# Altium PCB HIVE_BOARD.PcbDoc (part 6 of 9)
Units mil, origin at the board's own origin, x right, y up, seen from the top; angles counter-clockwise.
Board outline 4330.71 x 4330.71 mil, 8 copper layers (Top, GND_1, Signal_1, GND_2, PWR, Signal_2, GND_3, Bottom), stack 62.994 mil thick; 660 components, 468 nets, 2497 pads, 1806 vias.
Unrouted connection lines stored in the file: 30.
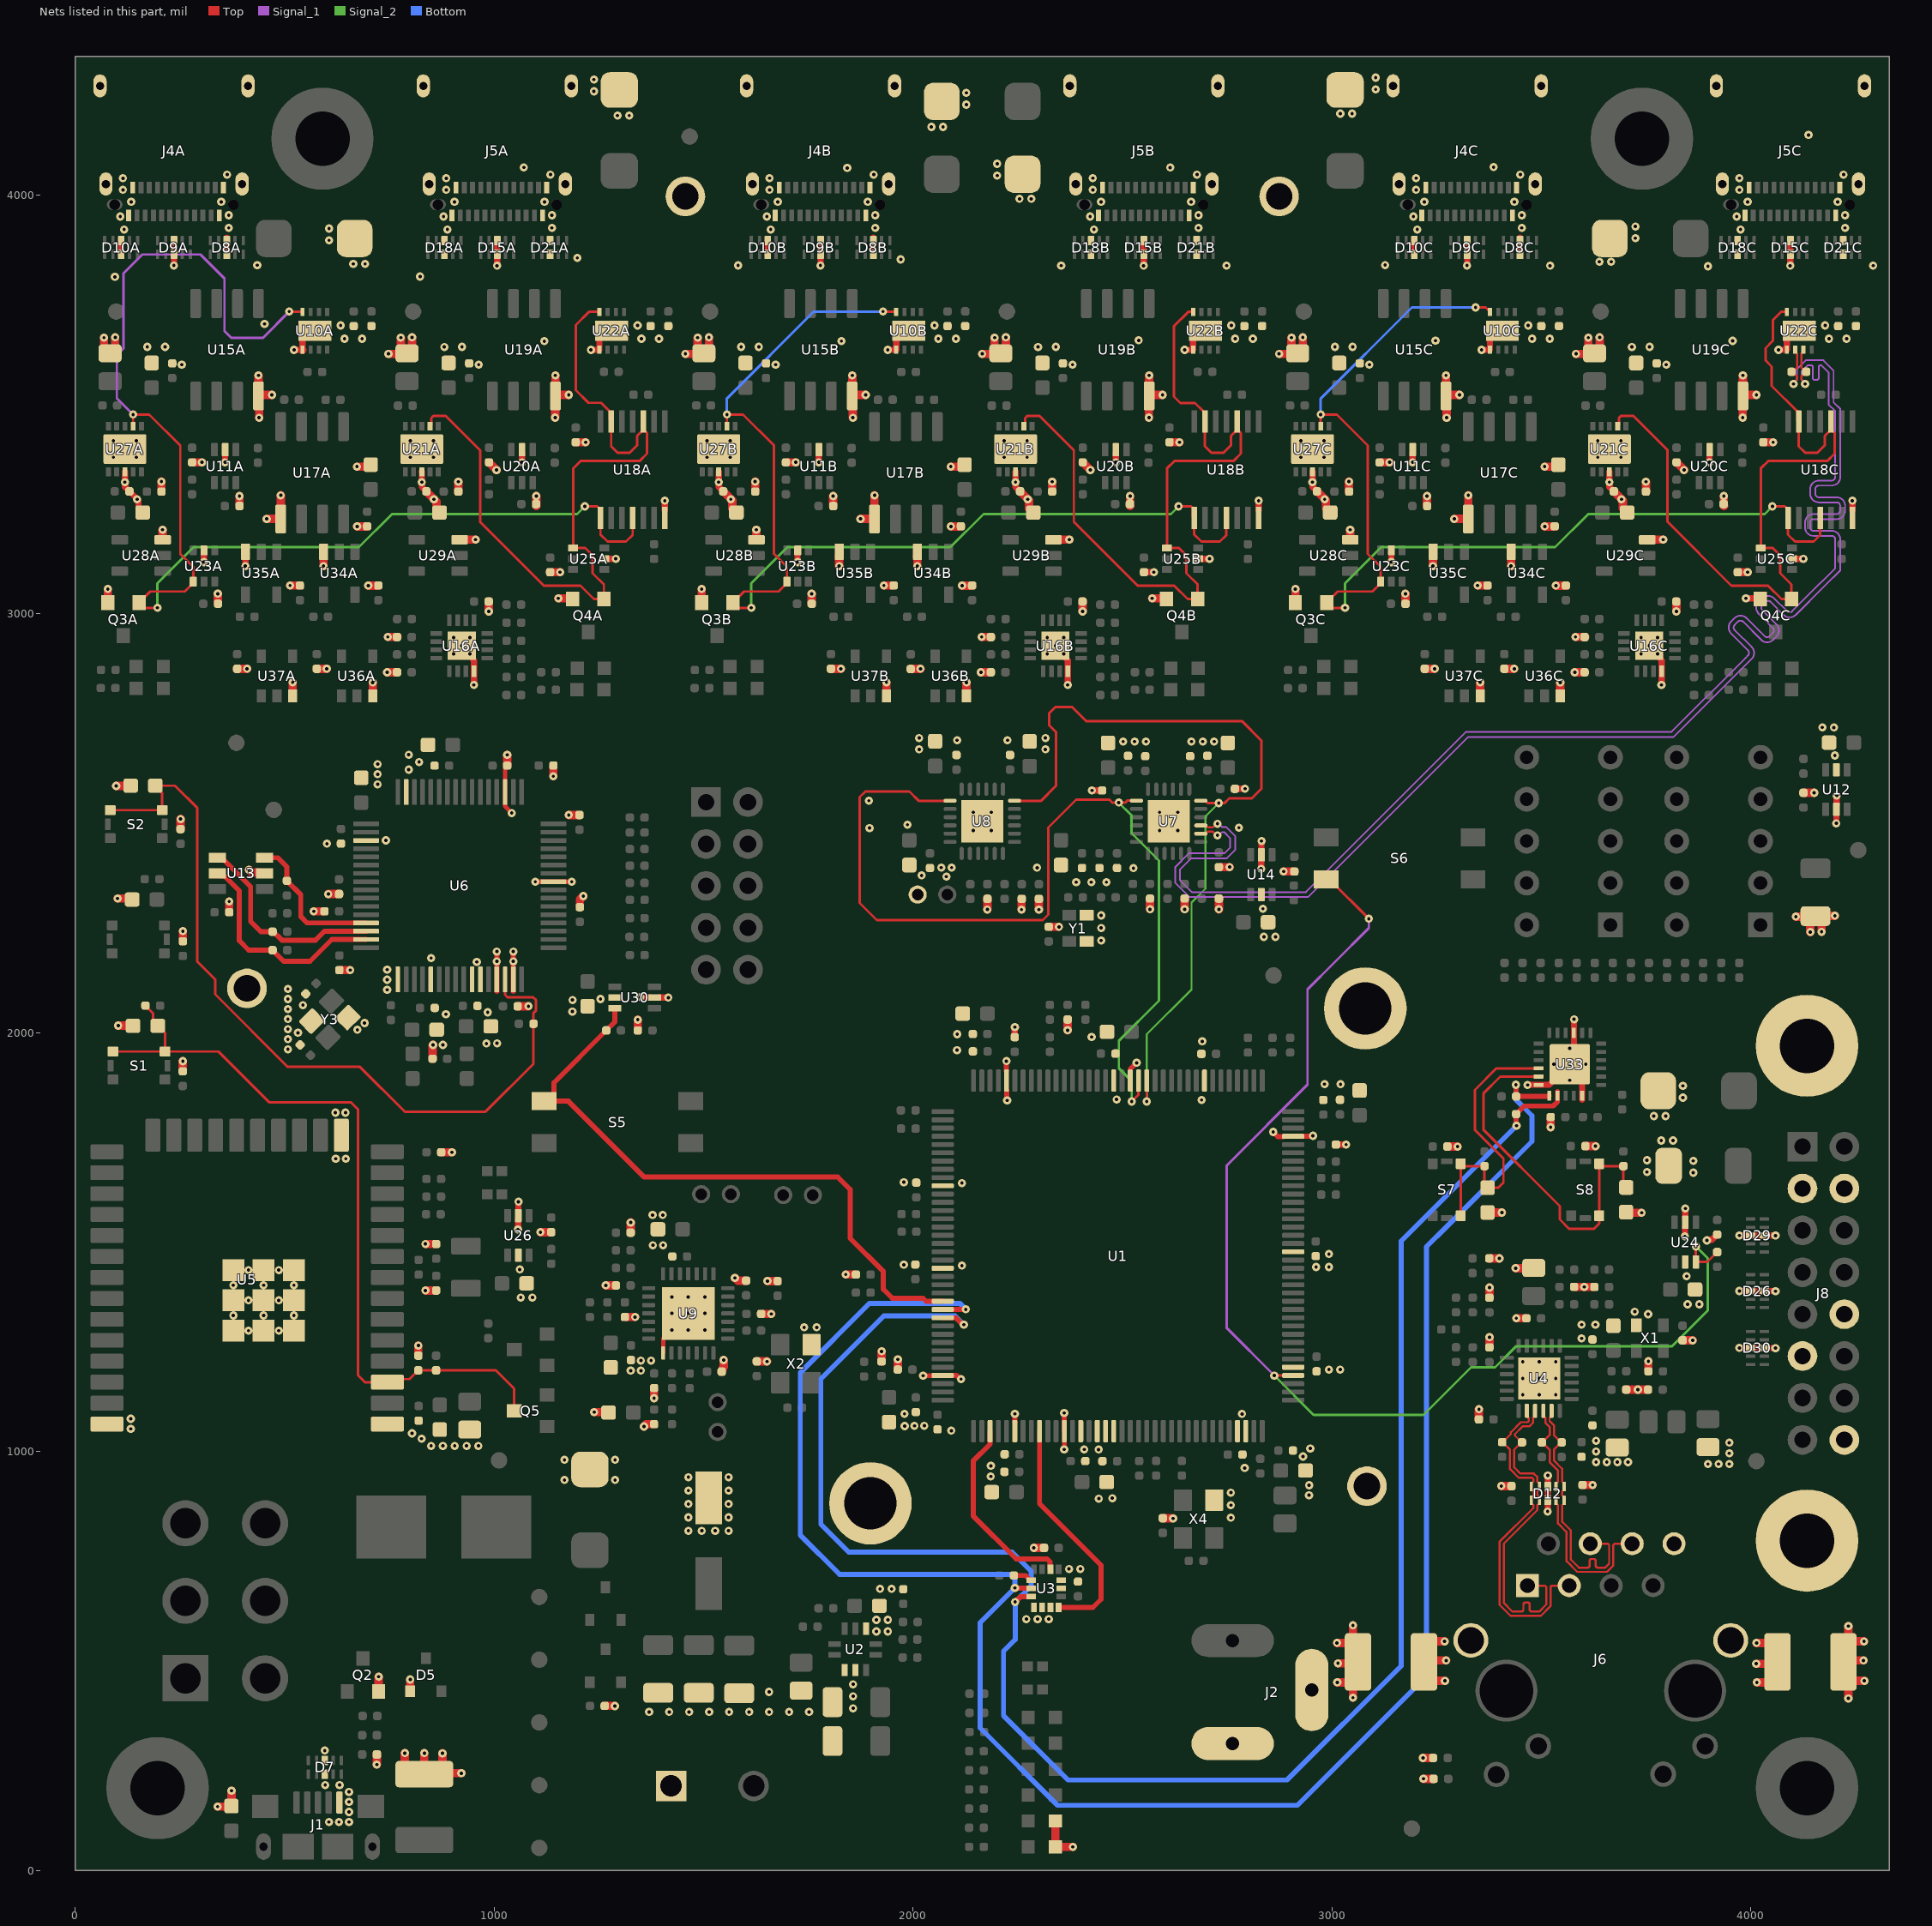
[diagram p12: the nets of this part, all layers, seen from the top]

## Via types
v1: diameter 19.68, hole 7.87, Top to Bottom, tented both sides, 1753 vias
v2: diameter 19.68, hole 7.87, Top to Bottom, 41 vias
v3: diameter 21.65, hole 7.87, Top to Bottom, tented both sides, 7 vias
v4: diameter 19.68, hole 7.87, Top to Bottom, tented bottom, 5 vias

## Nets (pads, with @x,y where several pads share a name; then routed paths per layer and width w, separated by ;. In a path a pad name is that pad's centre, name@x,y a point inside that pad or via, vN(x,y) a via of type N, cw(c..) or ccw(c..) an arc to the next point about the centre after c; other vN are vias at no path point) (continued)
CLK_1C_N: R128C.1 U7.14 U22C.2 | length 3460.1
  Top w5: U7.14@2687.16,2474.92 2698.5,2474.92 2703.34,2479.76 2715.51,2479.76 2724.34,2470.94 v1(2726.77,2470.94) ; R128C.1@4098.14,3577 R128C.1@4100.04,3577 ; v1(4101.82,3548.24) 4101.82,3550.67 4110.64,3559.49 4110.64,3566.57 4107.71,3569.5 4107.54,3569.5 R128C.1@4100.04,3577 ; U22C.2@4105.76,3629.95 4105.76,3625.03 4110.6,3620.19 4110.6,3598.49 4110.64,3598.46 4110.64,3587.43 4107.71,3584.5 4107.54,3584.5 R128C.1@4100.04,3577
  Signal_1 w4: v1(2726.77,2470.94) 2730.11,2470.94 2737.94,2478.76 2742.74,2478.76 2757,2464.5 2757,2441.34 2743.95,2428.29 2659.44,2428.29 2625.6,2394.45 2625.6,2358.4 2660.51,2323.49 2942.77,2323.49 3325.3,2706.01 3815.81,2706.01 3996.11,2886.31 4001.74,2891.94 ccw(c3987.34,2906.39) 4001.74,2920.84 3961.38,2961.21 cw(c3967.33,2967.13) 3961.41,2973.08 3969.28,2980.96 ; 3969.3,2980.98 cw(c3975.25,2975.05) 3981.22,2980.96 ; 3981.23,2980.95 4024.29,2937.89 ; 4024.3,2937.88 ccw(c4038.76,2952.27) 4053.2,2937.86 4061.09,2945.75 ccw(c4046.68,2960.19) 4062.86,2972.61 4062.86,2972.86 4027.44,3008.28 cw(c4033.36,3014.24) 4027.43,3020.2 ; 4027.45,3020.21 4035.31,3028.07 cw(c4041.28,3022.16) 4047.22,3028.1 4078.11,2997.21 ccw(c4092.56,3011.61) 4107.01,2997.21 ; v1(4101.82,3548.24) 4101.82,3550.6 4109.64,3558.42 4109.64,3583.52 4131.09,3604.97 4173.08,3604.97 4197.53,3580.53 4197.53,3504.51 4213.41,3488.62 4213.41,3399.32 4213.41,3326.23 cw(c4193.01,3326.23) 4193.01,3305.83 4162.13,3305.83 ccw(c4162.13,3297.43) 4153.73,3297.43 4153.73,3286.23 ccw(c4162.13,3286.23) 4162.13,3277.83 4204.76,3277.83 cw(c4204.76,3257.43) 4225.16,3257.43 4225.16,3246.23 cw(c4204.76,3246.23) 4204.76,3225.83 4149.78,3225.83 ccw(c4149.78,3217.43) 4141.38,3217.43 4141.38,3206.23 ccw(c4149.78,3206.23) 4149.78,3197.83 4193.01,3197.83 cw(c4193.01,3177.43) 4213.41,3177.43 4213.41,3169.43 4213.41,3103.61 4178.97,3069.17 4173.33,3063.53 cw(c4169.07,3067.76) 4173.3,3063.5 4107.02,2997.21
CLK_1C_P: R128C.2 U7.15 U22C.3 | length 3460.1
  Top w5: U7.15@2687.16,2494.61 2698.5,2494.61 2703.34,2489.76 2715.51,2489.76 2724.34,2498.59 v1(2726.77,2498.59) ; U22C.3@4125.45,3629.95 4125.45,3625.03 4120.6,3620.19 4120.6,3602.64 4120.64,3602.6 4120.64,3587.43 4123.57,3584.5 4123.75,3584.5 R128C.2@4131.25,3577 ; v1@4129.47,3550.67 4120.64,3559.49 4120.64,3566.57 4123.57,3569.5 4123.75,3569.5 R128C.2@4131.25,3577 ; R128C.2@4133.14,3577 R128C.2@4131.25,3577
  Signal_1 w4: v1(2726.77,2498.59) 2730.11,2498.59 2737.94,2490.76 2747.71,2490.76 2769,2469.47 2769,2436.37 2748.92,2416.29 2664.41,2416.29 2637.6,2389.48 2637.6,2363.37 2665.48,2335.49 2937.8,2335.49 3320.33,2718.01 3810.84,2718.01 3987.63,2894.79 3993.25,2900.42 ccw(c3987.34,2906.39) 3993.26,2912.35 3952.95,2952.66 ; 3952.94,2952.67 cw(c3967.33,2967.13) 3952.92,2981.57 3960.81,2989.46 cw(c3975.25,2975.05) 3987.67,2991.23 3987.92,2991.23 3989.66,2989.49 4032.84,2946.32 ccw(c4038.76,2952.27) 4044.71,2946.35 ; 4044.73,2946.36 4052.59,2954.22 ; 4052.59,2966.16 cw(c4046.68,2960.19) 4052.6,2954.24 ; 4052.58,2966.17 4018.93,2999.82 cw(c4033.36,3014.24) 4018.95,3028.68 4026.84,3036.57 cw(c4041.28,3022.16) 4055.71,3036.58 ; 4055.73,3036.56 4086.6,3005.69 ; 4086.64,3005.65 ccw(c4092.56,3011.61) 4098.52,3005.69 4164.81,3071.98 cw(c4169.07,3067.76) 4164.85,3072.02 4170.49,3077.66 4201.41,3108.58 4201.41,3169.43 4201.41,3177.43 ccw(c4193.01,3177.43) 4193.01,3185.83 4149.78,3185.83 cw(c4149.78,3206.23) 4129.38,3206.23 4129.38,3217.43 cw(c4149.78,3217.43) 4149.78,3237.83 4204.76,3237.83 ccw(c4204.76,3246.23) 4213.16,3246.23 4213.16,3257.43 ccw(c4204.76,3257.43) 4204.76,3265.83 4162.13,3265.83 cw(c4162.13,3286.23) 4141.73,3286.23 4141.73,3297.43 cw(c4162.13,3297.43) 4162.13,3317.83 4193.01,3317.83 ccw(c4193.01,3326.23) 4201.41,3326.23 4201.41,3399.32 4201.41,3483.65 4185.53,3499.54 4185.53,3575.56 4168.11,3592.97 4166.11,3592.97 ccw(c4166.11,3588.77) 4161.91,3588.77 4161.91,3562.53 cw(c4157.71,3562.53) 4157.71,3558.33 4152.11,3558.33 cw(c4152.11,3562.53) 4147.91,3562.53 4147.91,3588.77 ccw(c4143.71,3588.77) 4143.71,3592.97 4136.07,3592.97 4121.64,3578.55 4121.64,3558.42 4129.47,3550.6 v1(4129.47,3548.24)
CLK_OE_0#: U1.88 U7.1 U8.1 | length 2268.5
  Top w6: U8.1@2088.74,2553.66 2087.81,2552.73 2014.76,2552.73 1991.81,2575.69 1886.69,2575.69 1873.03,2562.03 1873.03,2309.37 1913.64,2268.76 2309.72,2268.76 2323,2282.04 2323,2489.59 2389.41,2556 2469,2556 2475.87,2549.13 v1(2491.16,2549.13) 2506.74,2549.13 2511.28,2553.66 U7.1@2533.62,2553.66 ; v1(2522.23,1835.68) 2538.43,1851.89 U1.88@2538.43,1885.4
  Signal_2 w6: v1(2491.16,2549.13) 2521.45,2518.84 2521.45,2476.47 2586.97,2410.95 2586.97,2076.16 2491.41,1980.6 2491.41,1915.04 2522.23,1884.22 v1(2522.23,1835.68)
CLK_OE_1#: U1.87 U7.18 U8.18 | length 1948.5
  Top w5: v1@2558.12,1835.69 U1.87@2558.12,1885.4
  Top w6: U8.18@2243.21,2552.73 2305.05,2552.73 2341.17,2588.85 2341.17,2717.7 2325.38,2733.49 2325.38,2762.48 2340.52,2777.62 2379.5,2777.62 2381.1,2776.02 2413.33,2743.79 2785.05,2743.79 2831.76,2697.09 2831.76,2582.08 2808.67,2559 2755,2559 2744.32,2548.32 2730.32,2548.32 v1(2730,2548) 2703.34,2548 2697.68,2553.66 U7.18@2687.16,2553.66
  Signal_2 w5: v1(2558.13,1835.68) 2558,1835.81 2558,1996.17 2664.93,2103.1 2664.93,2310.28 2698.32,2343.67 2698.32,2516.32 v1(2730,2548)
DEB_PWR_EN: R125.2 S5.3 U1.132 U30.3 | length 1531
  Top w12: S5.3@1119.49,1836.34 S5.3@1127.36,1836.34 ; U30.3@1288.34,2058.29 1288.34,2025.74 R125.2@1267.93,2005.33 1143.02,1880.42 1143.02,1852 S5.3@1127.36,1836.34 ; U1.132@2070.91,1358.83 2031.44,1358.83 2024.27,1366 1950.88,1366 1929.32,1387.57 1929.32,1429.81 1850.08,1509.05 1850.08,1625.86 1820.72,1655.23 1358.66,1655.23 1177.55,1836.34 S5.3@1127.36,1836.34
EN_WROOM: C68.1 C97.2 Q5.3 R38.1 R91.1 S1.3 S1.4 U5.3 | length 1868.2
  Top w6: S1.4@90.76,1954.92 S1.3@214.77,1954.92 ; R38.1@167.99,2064.51 185.79,2046.71 185.79,2027.32 196.79,2016.32 C68.1@197.29,2016.32 197.79,2016.32 214.77,1999.34 S1.3@214.77,1954.92 ; Q5.3@1048.16,1097.36 1048.16,1150.39 1004.6,1193.94 R91.1@861.77,1193.94 C97.2@819.38,1193.94 798.41,1172.97 752.62,1172.97 U5.3@745.35,1165.7 691.99,1165.7 675.29,1182.39 675.29,1816.66 658.02,1833.94 463.24,1833.94 342.26,1954.92 S1.3@214.77,1954.92
ETH_GND: C60.1 C61.1 J6.13 J6.14 | length 265.7
  Top w20: C60.1@3244.87,547.02 v1@3269.07,547.02 ; C60.1@3245.58,452.98 v1@3269.77,452.98 ; C60.1@3248.4,501.58 v1@3272.59,501.58 ; v1@4013.14,493.47 C61.1@4038.16,493.47 ; v1(4013.49,543.22) 4013.74,542.97 4042.02,542.97 4063.52,521.48 4063.52,470.67 4042.02,449.18 v1(4014.19,449.18)
  other v1: 3269.77,452.78 4012.89,493.72 3272.59,501.39 3269.07,546.82
ETH_PWR_EN: R109.2 S6.4 U1.40 U24.3 | length 2902.8
  Top w6: v1(2862.46,1181.41) 2862.59,1181.54 2907.4,1181.54 U1.40@2907.53,1181.66 ; S6.4@2986.31,2365.96 2994.18,2365.96 3088.15,2271.99 v1(3088.15,2271.91) ; U24.3@3868.83,1452.71 v1(3868.8,1489.68) ; U24.3@3868.87,1452.68 3896.05,1452.68 R109.2@3919.67,1476.3
  Signal_1 w6: v1(2862.46,1181.41) 2749.22,1294.66 2749.22,1683.29 2941.8,1875.86 2941.8,2103.31 3005.73,2167.24 3088.15,2249.66 v1(3088.15,2271.91)
  Signal_2 w6: v1(2862.46,1181.41) 2956.23,1087.64 3218.64,1087.64 3332.1,1201.1 3389.31,1201.1 3439.17,1250.97 3811.37,1250.97 3897.1,1336.7 3897.1,1461.38 v1(3868.8,1489.68)
ETH_RX_N: D12.4 D12.7 J6.6 R44.1 U4.22 | length 630.3
  Top w5: R44.1@3501.14,1022.08 R44.1@3502.2,1022.08 ; U4.22@3504.69,1097.33 3504.69,1085.52 3509.54,1080.68 3509.54,1068.96 3519.82,1058.68 3519.82,1039.64 3502.26,1022.08 R44.1@3502.2,1022.08 ; J6.6@3716.72,780.07 3674.65,780.07 3671.72,777.14 3671.72,728.19 3656.52,713 3585.47,713 3560.21,738.25 3560.21,807.88 3556.28,811.81 3539.78,828.31 3539.78,871.99 3536.85,874.92 3536.38,874.92 3534.94,876.36 D12.4@3534.94,883.55 3534.94,890.73 3536.38,892.17 3536.85,892.17 3539.78,895.1 3539.78,904.87 3536.85,907.8 3536.38,907.8 3534.94,909.23 D12.7@3534.94,916.42 3534.94,923.6 3536.38,925.04 3536.85,925.04 3539.78,927.97 3539.78,954.8 3519.82,974.76 3519.82,1004.46 R44.1@3502.2,1022.08
ETH_RX_P: D12.5 D12.6 J6.4 R43.1 U4.23 | length 630.3
  Top w5: U4.23@3524.38,1097.33 3524.38,1085.52 3519.54,1080.68 3519.54,1073.1 3529.82,1062.82 3529.82,1039.64 3547.38,1022.08 R43.1@3547.44,1022.08 ; R43.1@3548.5,1022.08 R43.1@3547.44,1022.08 ; J6.4@3616.72,780.07 3658.79,780.07 3661.72,777.14 3661.72,732.33 3652.38,723 3634.88,723 cw(c3634.88,728) 3629.88,728 3629.88,739.15 ccw(c3625.38,739.15) 3625.38,743.65 3619.38,743.65 ccw(c3619.38,739.15) 3614.88,739.15 3614.88,728 cw(c3609.88,728) 3609.88,723 3593.12,723 3589.61,723 3570.21,742.39 3570.21,812.02 3549.78,832.45 3549.78,871.99 3552.71,874.92 3553.19,874.92 3554.63,876.36 D12.5@3554.63,883.55 3554.63,890.73 3553.19,892.17 3552.71,892.17 3549.78,895.1 3549.78,904.87 3552.71,907.8 3553.19,907.8 3554.63,909.23 D12.6@3554.63,916.42 3554.63,923.6 3553.19,925.04 3552.71,925.04 3549.78,927.97 3549.78,958.94 3529.82,978.9 3529.82,1004.46 R43.1@3547.44,1022.08
ETH_TX_N: D12.1 D12.10 J6.3 R42.1 U4.20 | length 827.2
  Top w5: R42.1@3406.43,1022.52 R42.1@3406.9,1022.52 ; U4.20@3465.32,1097.33 3465.32,1085.52 3470.17,1080.68 3470.17,1073.1 3467.24,1070.17 3451.26,1070.17 3427.18,1046.09 3427.18,1041.95 3407.75,1022.52 R42.1@3406.9,1022.52 ; J6.3@3566.72,680.07 3524.65,680.07 3521.72,677.14 3521.72,631.03 3498.76,608.07 3426.74,608.07 3400.06,634.76 3400.06,784.25 3480.73,864.92 3480.73,871.99 3477.8,874.92 3477.32,874.92 3475.89,876.36 D12.1@3475.89,883.55 3475.89,890.73 3477.32,892.17 3477.8,892.17 3480.73,895.1 3480.73,904.87 3477.8,907.8 3477.32,907.8 3475.89,909.23 D12.10@3475.89,916.42 3475.89,923.6 3480.73,928.45 3480.73,934.74 3477.8,937.67 3445.86,937.67 3425.11,958.43 3425.11,1004.31 R42.1@3406.9,1022.52
ETH_TX_P: D12.2 D12.9 J6.1 R41.1 U4.21 | length 827.2
  Top w5: R41.1@3452.87,1022.08 3435.11,1004.31 3435.11,962.57 3450,947.67 3481.94,947.67 3490.73,938.89 3490.73,927.97 3493.66,925.04 3494.13,925.04 3495.57,923.6 D12.9@3495.57,916.42 3495.57,909.23 3494.13,907.8 3493.66,907.8 3490.73,904.87 3490.73,895.1 3493.66,892.17 3494.13,892.17 3495.57,890.73 D12.2@3495.57,883.55 3495.57,876.36 3494.13,874.92 3493.66,874.92 3490.73,871.99 3490.73,860.78 3410.06,780.11 3410.06,638.9 3430.89,618.07 3442.5,618.07 3452.12,618.07 ccw(c3452.12,623.07) 3457.12,623.07 3457.12,635.14 cw(c3461.62,635.14) 3461.62,639.64 3467.62,639.64 cw(c3467.62,635.14) 3472.12,635.14 3472.12,623.07 ccw(c3477.12,623.07) 3477.12,618.07 3494.62,618.07 3511.72,635.17 3511.72,677.14 3508.79,680.07 J6.1@3466.72,680.07 ; R41.1@3453.78,1022.08 3452.91,1022.08 3437.18,1037.81 3437.18,1041.95 3455.4,1060.17 3471.38,1060.17 3480.17,1068.96 3480.17,1080.68 3485.01,1085.52 U4.21@3485.01,1097.33
FTDI_EECLK: R68.1 U6.62 U13.4 | length 494.2
  Top w12: U13.4@340,2417.54 345.81,2411.73 355.55,2411.73 419.05,2348.22 419.05,2265.55 443.58,2241.03 R68.1@471.5,2241.03 ; R68.1@471.5,2243 493.74,2220.76 573.94,2220.76 595.4,2242.22 U6.62@694.55,2242.22
FTDI_EECS: R69.1 U6.63 U13.5 | length 532.6
  Top w12: U13.5@340,2380.14 345.81,2374.33 356,2374.33 392.15,2338.17 392.15,2219.32 414.47,2197 R69.1@471.5,2197 497.99,2170.51 560.74,2170.51 612.77,2222.54 U6.63@694.55,2222.54
FTDI_EEDATA: R72.1 U6.61 U13.3 | length 357.1
  Top w12: U13.3@452.2,2417.54 483.94,2417.54 505.67,2395.81 R72.1@505.67,2362.4 538.66,2329.42 538.66,2276.98 553.73,2261.91 U6.61@694.55,2261.91
FTDI_RESET: C91.1 R66.1 S2.3 S2.4 U6.14 | length 1967.2
  Top w6: S2.4@83.96,2531.09 S2.3@207.98,2531.09 207.98,2571.98 191.58,2588.37 C91.1@191.58,2589.47 238.57,2589.47 291.95,2536.09 291.95,2169.36 334.47,2126.84 334.47,2091.34 507.57,1918.23 679.97,1918.23 786.81,1811.39 979.71,1811.39 1094.29,1925.98 R66.1@1094.29,2021.11 1094.29,2046.98 1100.55,2053.23 1100.55,2077.48 1094.02,2084 1033,2084 1026.58,2090.42 1026.58,2126.72 U6.14@1026.44,2126.87
GND: C1.1 C2.2 C3.1 C4.2 C5.1 C6.2 C7.2 C8.2 C9.2 C10.2 C11.1 C12.2 C13.2 C14.2 C15.2 C16.2 C17.2 C18.2 C19.2 C20.1 C21.1 C22.1 C23.1 C24.1 C25.1 C27.2 C28.1 C29.1 C30.2 C31.1 C32.1 C33.1 C34.1 C35.1 C36.1 C37.2 C38.2 C39.2 C40.2 C41.1 C42.1 C43.1 C44.1 C45.1 C46.1 C47.1 C48.1 C49.1 C50.1 C51.2 C52.2 C53.2 C54.1 C55.2 C56.1 C57.2 C58.2 C59.1 C60.2 C61.2 C62.1 C63.2 C64.1 C65.2 C66.1 C67.1 C68.2 C69.2 C70.2 C71.2 C72.2 C73.1 C74.1 C75.1 C76.1 C77.2 C78.2 C79.2 C80.2 C81.1 C82.2 C83.1 C84.2 C85.1 C86.2 C87.2 C88.1 C89.1 C90.2 C91.2 C92.1 C93.1 C95.1 C96.2 C97.1 C98.1 C99.1 C100.2 C101.1 C102.1 C103.1 C104.1 C105.2 C106.1 C107.2 C108A.1 C108B.1 C108C.1 C109A.1 C109B.1 C109C.1 C110A.2 C110B.2 C110C.2 C111A.2 C111B.2 C111C.2 C112.2 C113A.1 C113B.1 C113C.1 C114A.2 C114B.2 C114C.2 C115A.2 C115B.2 C115C.2 C116.2 C117A.1 C117B.1 C117C.1 C118A.2 C118B.2 C118C.2 C119A.2 C119B.2 C119C.2 C120A.2 C120B.2 C120C.2 C121A.2 C121B.2 C121C.2 C122A.2 C122B.2 C122C.2 C123.1 C124A.1 C124B.1 C124C.1 C125A.1 C125B.1 C125C.1 C126A.1 C126B.1 C126C.1 C127A.1 C127B.1 C127C.1 C128A.1 C128B.1 C128C.1 C129.2 C130.1 C131.2 C132.2 C133A.1 C133B.1 C133C.1 C134.2 C135.2 C136.2 C137.2 C138.2 C139A.2 C139B.2 C139C.2 C140A.1 C140B.1 C140C.1 C141A.1 C141B.1 C141C.1 C142.2 C143.2 C144.2 C145A.2 C145B.2 C145C.2 C146A.2 C146B.2 C146C.2 C147.2 C148.1 C149.1 C150A.2 C150B.2 C150C.2 C151A.2 C151B.2 C151C.2 D3.2 D4.K D5.1 D6.K D7.3 D7.8 D8A.3 D8A.8 D8B.3 D8B.8 D8C.3 D8C.8 D9A.3 D9A.8 D9B.3 D9B.8 D9C.3 D9C.8 D10A.3 D10A.8 D10B.3 D10B.8 D10C.3 D10C.8 D11A.2 D11B.2 D11C.2 D12.3 D12.8 D15A.3 D15A.8 D15B.3 D15B.8 D15C.3 D15C.8 D16A.2 D16B.2 D16C.2 D18A.3 D18A.8 D18B.3 D18B.8 D18C.3 D18C.8 D21A.3 D21A.8 D21B.3 D21B.8 D21C.3 D21C.8 D26.3 D26.8 D27.2 D28.A D29.3 D29.8 D30.3 D30.8 HS1.1 HS1.2 J1.5 J2.2 J2.3 J3.1 J4A.1 J4A.2 J4A.3 J4A.4 J4A.A1 J4A.A12 J4A.B1 J4A.B12 J4B.1 J4B.2 J4B.3 J4B.4 J4B.A1 J4B.A12 J4B.B1 J4B.B12 J4C.1 J4C.2 J4C.3 J4C.4 J4C.A1 J4C.A12 J4C.B1 J4C.B12 J5A.1 J5A.2 J5A.3 J5A.4 J5A.A1 J5A.A12 J5A.B1 J5A.B12 J5B.1 J5B.2 J5B.3 J5B.4 J5B.A1 J5B.A12 J5B.B1 J5B.B12 J5C.1 J5C.2 J5C.3 J5C.4 J5C.A1 J5C.A12 J5C.B1 J5C.B12 J6.8 J8.3 J8.4 J8.10 J8.11 J8.16 MTH5.1 MTH6.1 Q2.2 Q3A.2 Q3B.2 Q3C.2 Q4A.2 Q4B.2 Q4C.2 R9.1 R12.2 R14.1 R17.2 R20.2 R26.1 R30.1 R34.2 R39.1 R49.1 R50.1 R51.1 R52.1 R59.1 R61.1 R65.2 R71.1 R74.1 R75.1 R76.1 R78.1 R83.1 R84.1 R86.2 R88.1 R90.2 R97A.2 R97B.2 R97C.2 R106A.2 R106B.2 R106C.2 R108A.1 R108B.1 R108C.1 R118A.2 R118B.2 R118C.2 R122.2 R126.2 R127A.2 R127B.2 R127C.2 R133A.2 R133B.2 R133C.2 R149.1 R150.1 R157.1 R158.1 R159.1 R160.1 R176.2 R180.2 R181.2 R183.1 TP12.2 TP13.1 TP14.1 TP15.1 TP16.1 U1.6 U1.12 U1.14 U1.16 U1.17 U1.18 U1.33 U1.34 U1.41 U1.55 U1.69 U1.80 U1.89 U1.91 U1.104 U1.118 U1.128 U1.141 U2.3 U2.4 U2.8 U3.1 U3.2 U3.3 U3.6 U3.7 U4.25 U5.1 U5.15 U5.38 U5.39 U6.1 U6.5 U6.10 U6.11 U6.13 U6.15 U6.25 U6.35 U6.47 U6.51 U7.25 U8.25 U9.15 U9.29 U10A.1 U10A.9 U10B.1 U10B.9 U10C.1 U10C.9 U11A.2 U11B.2 U11C.2 U12.2 U12.5 U13.2 U14.2 U14.5 U15A.4 U15B.4 U15C.4 U16A.12 U16A.17 U16B.12 U16B.17 U16C.12 U16C.17 U17A.5 U17B.5 U17C.5 U18A.7 U18B.7 U18C.7 U19A.4 U19B.4 U19C.4 U20A.2 U20B.2 U20C.2 U21A.3 U21A.11 U21B.3 U21B.11 U21C.3 U21C.11 U22A.1 U22A.9 U22B.1 U22B.9 U22C.1 U22C.9 U23A.2 U23B.2 U23C.2 U24.2 U24.5 U25A.2 U25B.2 U25C.2 U26.2 U26.5 U27A.3 U27A.11 U27B.3 U27B.11 U27C.3 U27C.11 U28A.3 U28B.3 U28C.3 U29A.3 U29B.3 U29C.3 U30.2 U30.5 U33.9 U33.18 U33.23 U33.25 U34A.3 U34B.3 U34C.3 U35A.3 U35B.3 U35C.3 U36A.3 U36B.3 U36C.3 U37A.3 U37B.3 U37C.3 X1.2 X2.2 X4.2 Y1.1 Y1.2 Y3.2 Y3.4 | length 9755.6
  Top w10: C71.2@1031.6,2637.43 1031.6,2636.89 1026.44,2631.72 U6.35@1026.44,2574.11 1026.44,2540.31 v1(1042.45,2524.3) ; U9.15@1403.72,1235.33 1403.72,1269.83 v1(1424.35,1290.46)
  Top w12: U6.13@1006.75,2098.11 U6.13@1006.75,2126.87 v1(1006.75,2170.19) v1(1006.75,2193.51) ; U6.15@1046.12,2098.11 U6.15@1046.12,2126.87 v1(1046.12,2170.19) v1(1046.12,2193.51) ; v1(1098.58,2360.07) v1@1185.22,2360.07 ; v1@2024.55,1181.29 U1.141@2048.14,1181.29 ; U1.141@2070.91,1181.66 2071.01,1181.76 2093.4,1181.76 2093.65,1182 2103.95,1182 2112.85,1173.09 v1(2114.82,1173.09) ; U1.104@2223.1,1908.18 v1@2223.1,1931.77 ; v1@2224.03,1838.85 U1.104@2224.03,1862.44 ; U1.6@2243.38,1069.68 v1(2243.38,1090.23) ; v1(2361,1005) 2361.36,1005.36 U1.12@2361.36,1048.7 ; v1(2361,1092) 2361,1071.46 2361.17,1071.28 U1.12@2361.27,1048.79 U1.12@2361.27,1048.79 ; U1.89@2518.75,1885.4 2518.75,1912.73 v1@2534,1927.99 ; v1@2860,1762.56 2870.49,1752.06 U1.69@2884.66,1752.06 ; U1.69@2907.53,1752.53 2907.62,1752.63 2930.02,1752.63 2930.39,1753 2953.98,1753 v1(2954.75,1753.77)
  Top w15: D10A.8@110.24,3857.58 D10A.3@110.24,3890.45 D10A.3@110.61,3890.83 ; U27A.3@119,3338.47 119.1,3338.38 119.1,3302.7 C140A.1@129.78,3292.02 151.3,3270.5 151.3,3250.98 160.8,3241.48 C139A.2@161.3,3241.48 ; v1@236.21,3831 D9A.8@236.21,3857.58 D9A.3@236.21,3890.45 ; U23A.2@307,3147 307.22,3146.78 v1(307.22,3123.16) ; v1@358,3364.34 U11A.2@358,3385 ; D8A.8@362.2,3864.15 D8A.3@362.2,3890.45 D8A.3@362.2,3897.02 ; C110A.2@392.28,3257.22 C110A.2@392.5,3257 ; U35A.3@406.27,3137.47 406.5,3137.24 v1(406.5,3113.63) ; v1(522.6,3629.7) U10A.1@542.52,3629.7 ; U10A.1@542.77,3629.95 542.77,3659.1 558.89,3675.23 U10A.9@572.3,3675.23 ; U21A.3@827.66,3338.47 827.76,3338.38 827.76,3302.7 C124A.1@838.44,3292.02 ; D18A.3@881.89,3890.45 D18A.3@882.27,3890.83 ; U29A.3@917.24,3177 U29A.3@917.62,3176.62 ; v1(922.98,2923.47) 945.01,2901.44 947.71,2901.44 948.94,2900.21 948.94,2892.28 952.5,2888.72 U16A.12@952.5,2862.45 952.5,2830 v1(952,2830) ; v1@1007.5,3830.63 D15A.8@1007.5,3857.2 ; D15A.3@1007.5,3890.08 D15A.8@1007.5,3857.2 ; D15A.3@1007.87,3890.45 D15A.8@1007.87,3857.58 D15A.8@1007.5,3857.2 ; v1@1057.46,1530.07 U26.5@1057.46,1554.26 ; U26.5@1058.12,1572.31 v1@1058.12,1596.5 ; v1@1066.66,3364.34 U20A.2@1066.66,3385 ; v1(1231.26,3629.7) 1251.18,3629.7 U22A.1@1251.43,3629.95 U22A.9@1251.43,3659.1 ; U25A.2@1267,3131 v1(1290.62,3131) ; v1@1349.6,2084.41 U30.5@1373.79,2084.41 ; U30.5@1391.84,2083.75 v1@1416.03,2083.75 ; U18A.7@1407.67,3246.03 v1(1407.67,3269.64) ; U27B.3@1536.42,3338.38 1536.42,3302.7 C140B.1@1547.1,3292.02 ; C139B.2@1568.62,3250.98 1578.12,3241.48 C139B.2@1578.62,3241.48 ; D10B.8@1653.55,3857.59 D10B.3@1653.54,3890.45 D10B.3@1653.92,3890.84 ; U23B.2@1724.32,3147 1724.55,3146.78 v1(1724.55,3123.16) ; v1@1775.32,3364.34 U11B.2@1775.32,3385 ; v1@1779.52,3831.01 D9B.3@1779.53,3890.45 ; D8B.8@1905.51,3864.16 D8B.3@1905.51,3897.04 ; v1(1939.92,3629.7) 1959.84,3629.7 U10B.1@1960.09,3629.95 1960.09,3659.1 1976.21,3675.23 U10B.9@1989.62,3675.23 ; C29.1@2243,1989 C29.1@2243,1989.28 v1@2243,2013.19 ; U21B.3@2245.08,3338.38 2245.08,3302.7 C124B.1@2255.76,3292.02 ; v1(2340.3,2923.47) 2362.33,2901.44 2365.03,2901.44 2366.26,2900.21 2366.26,2892.28 2369.83,2888.72 U16B.12@2369.83,2862.45 2369.83,2830 v1(2369.32,2830) ; D18B.3@2425.2,3890.45 D18B.3@2425.58,3890.84 ; v1@2427.31,2578 C99.1@2451.5,2578 ; v1@2483.98,3364.34 U20B.2@2483.98,3385 ; v1@2550.81,3830.64 D15B.8@2550.81,3857.22 ; D15B.3@2550.81,3890.09 D15B.8@2550.81,3857.22 ; D15B.3@2551.18,3890.45 2551.18,3857.59 D15B.8@2550.81,3857.22 ; C133B.1@2551.44,3099.09 v1(2575.05,3099.09) ; v1(2648.58,3629.7) 2668.5,3629.7 U22B.1@2668.75,3629.95 U22B.9@2668.75,3659.1 ; U25B.2@2684.32,3131 v1(2707.94,3131) ; C103.1@2768.5,2582 v1@2792.69,2582 ; U18B.7@2824.99,3246.03 v1(2824.99,3269.64) ; v1@2831.17,2391.06 U14.5@2831.17,2415.25 ; U14.5@2831.83,2433.3 v1@2831.83,2457.49 ; U27C.3@2953.74,3338.38 2953.74,3302.7 C140C.1@2964.42,3292.02 ; C28.1@3009.67,1732.94 v1@3033.86,1732.94 ; U23C.2@3141.65,3147 3141.87,3146.78 v1(3141.87,3123.16) ; v1@3192.65,3364.34 U11C.2@3192.65,3385 ; D10C.8@3196.85,3857.58 D10C.3@3196.85,3890.45 D10C.3@3197.23,3890.83 ; v1@3322.83,3831 D9C.3@3322.83,3890.45 ; v1(3357.24,3629.7) 3377.17,3629.7 U10C.1@3377.42,3629.95 3377.42,3659.1 3393.54,3675.23 U10C.9@3406.94,3675.23 ; D8C.8@3448.83,3864.15 D8C.3@3448.83,3897.03 ; v1@3465.29,1875.42 U33.18@3493.07,1875.42 3518.66,1875.42 v4(3567.87,1924.64) ; v1@3515.26,856.97 D12.3@3515.26,883.55 D12.8@3515.26,916.42 v1@3515.26,943 ; v1(3578,2032) 3578,1934.76 v4(3567.87,1924.64) ; U33.23@3597.4,1840.34 U33.23@3597.4,1849.83 3597.4,1895.11 v4(3567.87,1924.64) ; U21C.3@3662.4,3338.38 3662.4,3302.7 C124C.1@3673.09,3292.02 ; v1@3730.22,1147.88 v1@3730.32,1147.78 ; v1(3757.62,2923.47) 3779.65,2901.44 3782.36,2901.44 3783.59,2900.21 3783.59,2892.28 3787.15,2888.72 U16C.12@3787.15,2862.45 3787.15,2830 v1(3786.65,2830) ; v1@3842.74,1513.93 U24.5@3842.74,1538.13 ; U24.5@3843.4,1556.17 v1@3843.4,1580.37 ; v1(3895,1504.01) 3896.27,1505.29 3907.03,1505.29 C129.2@3919.67,1517.93 ; v1@3901.31,3364.34 U20C.2@3901.31,3385 ; D18C.3@3968.5,3890.45 D18C.3@3968.89,3890.83 ; v1@3972.73,1247.22 D30.3@3999.31,1247.22 D30.8@4032.18,1247.22 v1@4058.76,1247.22 ; v1@3972.73,1383.13 D26.3@3999.31,1383.13 D26.8@4032.18,1383.13 v1@4058.76,1383.13 ; v1@3972.73,1515.75 D29.3@3999.31,1515.75 D29.8@4032.18,1515.75 v1@4058.76,1515.75 ; v1(3988.24,3036.71) Q4C.2@4011.86,3036.71 ; v1(4065.9,3629.7) 4085.83,3629.7 U22C.1@4086.08,3629.95 U22C.9@4086.08,3659.1 ; v1@4094.12,3830.63 D15C.8@4094.12,3857.21 ; D15C.3@4094.12,3890.08 D15C.8@4094.12,3857.21 ; D15C.3@4094.49,3890.45 D15C.8@4094.49,3857.58 D15C.8@4094.12,3857.21 ; U25C.2@4101.65,3131 v1(4125.26,3131) ; v1@4204.12,2499.63 U12.5@4204.12,2523.82 ; U12.5@4204.78,2541.87 v1@4204.78,2566.06 ; U18C.7@4242.32,3246.03 v1(4242.32,3269.64)